# Altium PCB vestibular_vampire.PcbDoc (part 1 of 2) (continued)
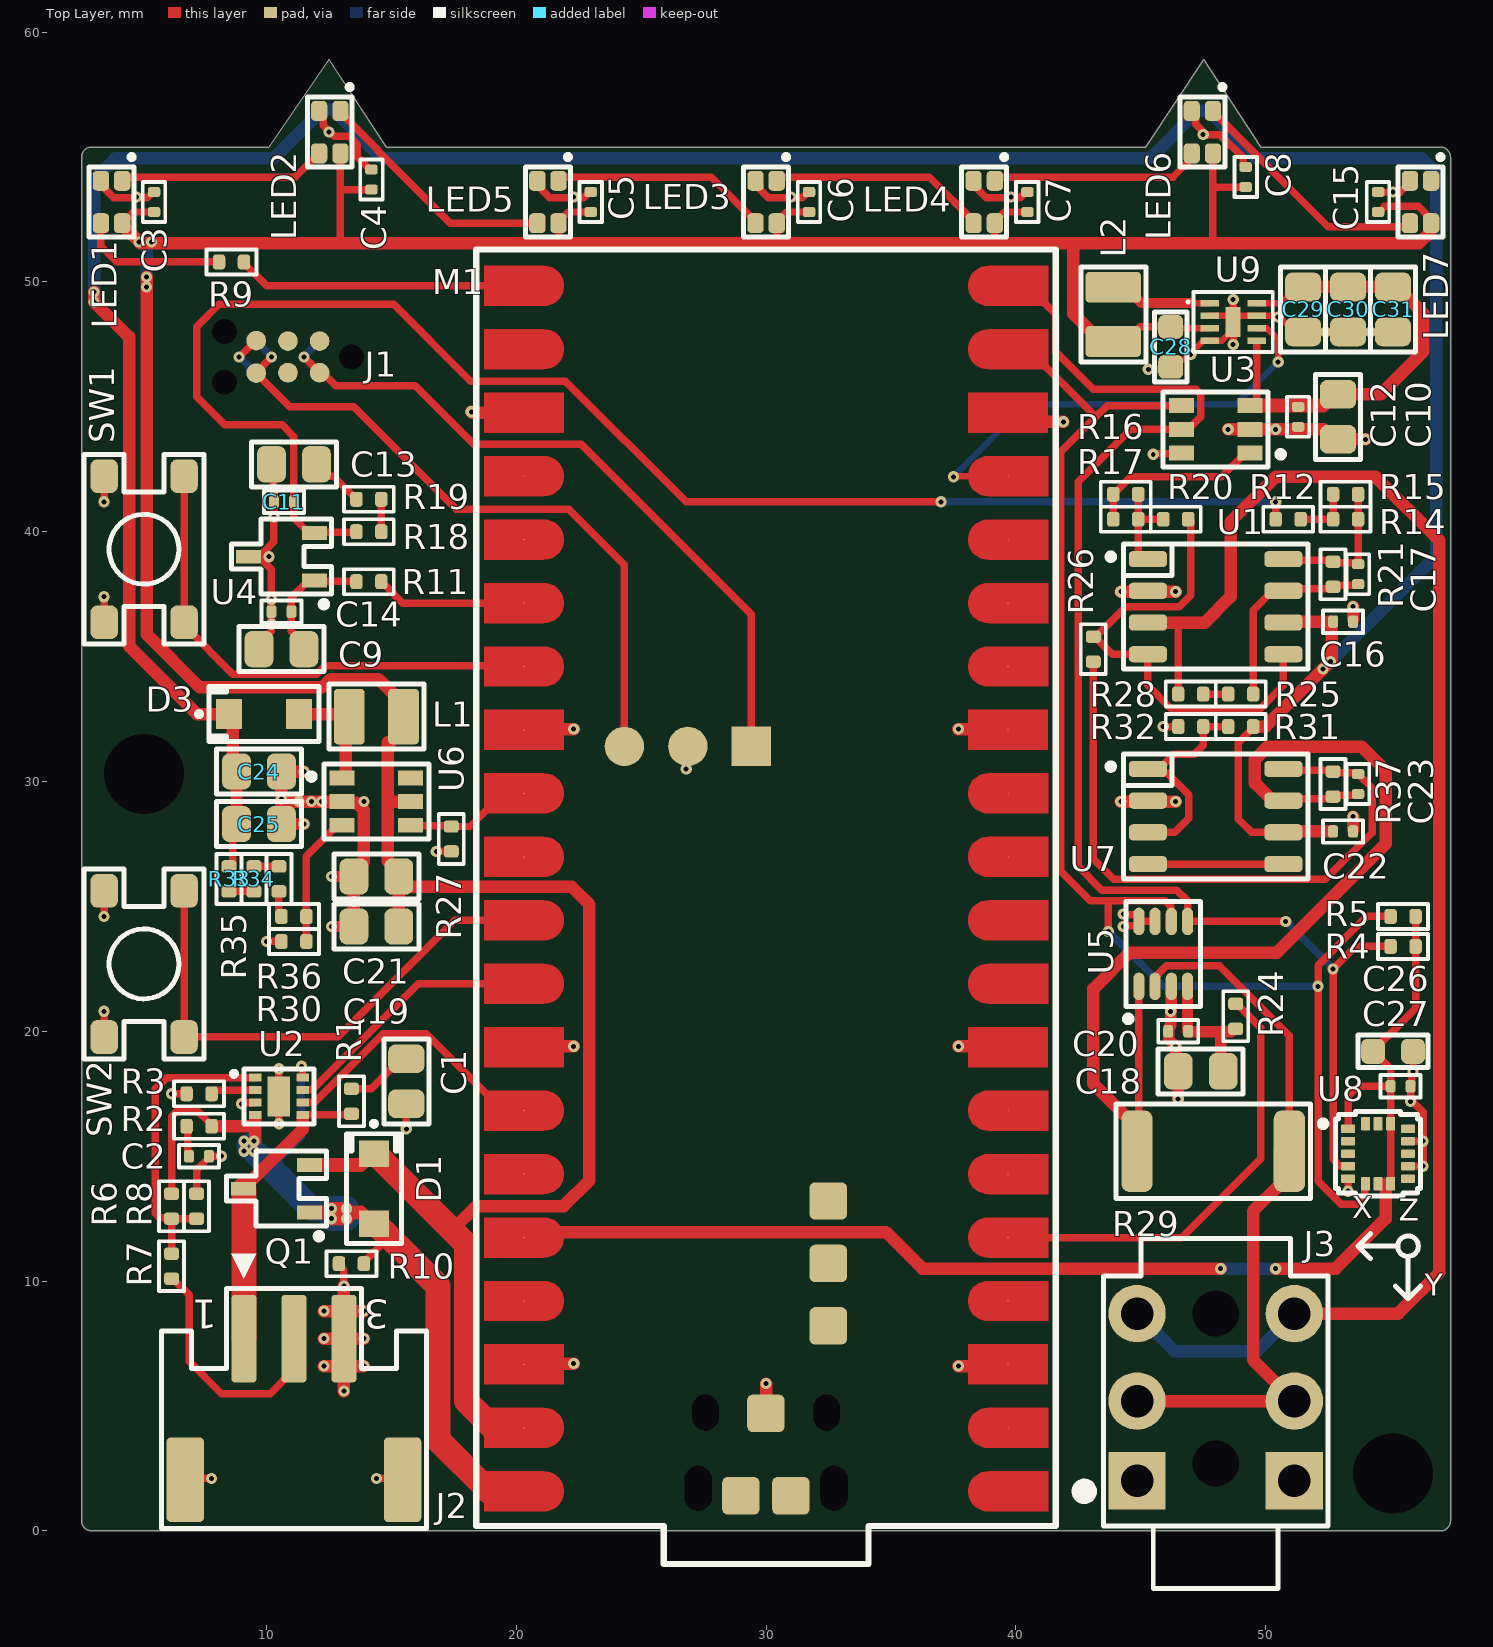
[diagram p0: Top Layer view]
## Footprints (in the part's own frame and the unit in brackets; to place one, negate y for a bottom-side part, rotate by r counter-clockwise, add the part's x,y. Pads: shape width x height; smd on the part's side, far side on the other; paste and mask are expansions set on the pad) (continued)
  Top Layer region: 11.29,12.515 11.29,10.915 8.89,10.915 8.89,10.915 8.543,10.994 8.265,11.216 8.11,11.537 8.11,11.893 8.265,12.214 8.543,12.436 8.89,12.515 8.89,12.515
  Top Layer region: 11.29,-23.045 11.29,-24.645 8.89,-24.645 8.89,-24.645 8.543,-24.566 8.265,-24.344 8.11,-24.023 8.11,-23.667 8.265,-23.346 8.543,-23.124 8.89,-23.045 8.89,-23.045
  Top Layer region: 11.29,17.595 11.29,15.995 8.89,15.995 8.89,15.995 8.543,16.074 8.265,16.296 8.11,16.617 8.11,16.973 8.265,17.294 8.543,17.516 8.89,17.595 8.89,17.595
  Top Layer region: 11.29,15.055 11.29,13.455 8.89,13.455 8.89,13.455 8.543,13.534 8.265,13.756 8.11,14.077 8.11,14.433 8.265,14.754 8.543,14.976 8.89,15.055 8.89,15.055
  Top Layer region: 11.29,22.675 11.29,21.075 8.89,21.075 8.89,21.075 8.543,21.154 8.265,21.376 8.11,21.697 8.11,22.053 8.265,22.374 8.543,22.596 8.89,22.675 8.89,22.675
  Top Layer region: 11.29,9.975 11.29,8.375 8.89,8.375 8.89,8.375 8.543,8.454 8.265,8.676 8.11,8.997 8.11,9.353 8.265,9.674 8.543,9.896 8.89,9.975 8.89,9.975
  Top Layer region: 11.29,-7.805 11.29,-9.405 8.89,-9.405 8.89,-9.405 8.543,-9.326 8.265,-9.104 8.11,-8.783 8.11,-8.427 8.265,-8.106 8.543,-7.884 8.89,-7.805 8.89,-7.805
  Top Layer region: 11.29,-10.345 11.29,-11.945 8.89,-11.945 8.89,-11.945 8.543,-11.866 8.265,-11.644 8.11,-11.323 8.11,-10.967 8.265,-10.646 8.543,-10.424 8.89,-10.345 8.89,-10.345
  Top Layer region: 11.29,-12.885 11.29,-14.485 8.89,-14.485 8.89,-14.485 8.543,-14.406 8.265,-14.184 8.11,-13.863 8.11,-13.507 8.265,-13.186 8.543,-12.964 8.89,-12.885 8.89,-12.885
  Top Layer region: 11.29,-15.425 11.29,-17.025 8.89,-17.025 8.89,-17.025 8.543,-16.946 8.265,-16.724 8.11,-16.403 8.11,-16.047 8.265,-15.726 8.543,-15.504 8.89,-15.425 8.89,-15.425
  Top Layer region: 11.29,-20.505 11.29,-22.105 8.89,-22.105 8.89,-22.105 8.543,-22.026 8.265,-21.804 8.11,-21.483 8.11,-21.127 8.265,-20.806 8.543,-20.584 8.89,-20.505 8.89,-20.505
  Top Layer region: 11.29,25.215 11.29,23.615 8.89,23.615 8.89,23.615 8.543,23.694 8.265,23.916 8.11,24.237 8.11,24.593 8.265,24.914 8.543,25.136 8.89,25.215 8.89,25.215
  Top Layer region: -11.286,18.535 -11.286,20.135 -8.094,20.135 -8.094,18.535
  Top Layer region: 11.286,20.135 11.286,18.535 8.094,18.535 8.094,20.135
  Top Layer region: 11.286,7.435 11.286,5.835 8.094,5.835 8.094,7.435
  Top Layer region: 11.286,-5.265 11.286,-6.865 8.094,-6.865 8.094,-5.265
  Top Layer region: -11.286,-6.865 -11.286,-5.265 -8.094,-5.265 -8.094,-6.865
  Top Layer region: -11.286,-19.565 -11.286,-17.965 -8.094,-17.965 -8.094,-19.565
  Top Layer region: 11.286,-17.965 11.286,-19.565 8.094,-19.565 8.094,-17.965
  silkscreen extent -12.99,-25.3 11.6,27.32, body extent -10.5,-25.25 10.5,27.1, height 3.62
pj-313_5jcj_3.5mm_trs_jack [mm]
  round 2.3 hole 1.3: R(0,3.15) R(0,-3.15) T(3.5,-3.15) T(3.5,3.15)
  rect 2.3x2.3 hole 1.3: S(-3.2,3.15) S(-3.2,-3.15)
  round 1 hole 1.85 unplated: ""(-2.5,0) ""(3.5,0)
  silkscreen extent -7.5,-4.5 6.5,4.5, body extent -7.5,-3.49 6.5,3.49, height 5.04
S3B-PH-SM4-TB [mm]
  rrect25% 1x3.5 smd: 1(2,-2.8) 2(0,-2.8) 3(-2,-2.8)
  rrect25% 1.5x3.4 smd: MP(-4.35,2.85) MP(4.35,2.85)
  silkscreen extent -5.3,-6.2 5.3,4.8, body extent -4.95,-4.15 4.95,4.45, height 5.61
SOD-123 [mm] "SODFL, 2-Leads, Body 1.78x3.70mm, IPC Medium Density"
  rect 1.05x1.2 smd: A(1.4,0) K(-1.4,0)
  silkscreen extent -2.7,-1.12 2.2,1.12, body extent -1.85,-0.96 1.85,0.96, height 1
SOIC127P600X175-8N [mm]
  rrect50% 1.525x0.65 smd: 1(-2.712,1.905) 2(-2.712,0.635) 3(-2.712,-0.635) 4(-2.712,-1.905) 5(2.712,-1.905) 6(2.712,-0.635) 7(2.712,0.635) 8(2.712,1.905)
  silkscreen extent -4.32,-2.5 3.7,2.5, body extent -3,-2.45 3,2.45, height 1.75
SON50P200X50_HS-9N [mm] "SON, 8-Leads, Body 2.00x2.00mm, Pitch 0.50mm, Thermal Pad 1.20x0.60mm, IPC Medium Density"
  rect 0.75x0.25 smd: 1(-0.94,0.75) 2(-0.94,0.25) 3(-0.94,-0.25) 4(-0.94,-0.75) 5(0.94,-0.75) 6(0.94,-0.25) 7(0.94,0.25) 8(0.94,0.75)
  rect 0.6x1.2 smd: EP(0,0)
  silkscreen extent -1.85,-1.2 1.59,1.2, body extent -1.03,-1.02 1.03,1.02, height 0.5
SON50P200X80_HS-9N [mm] "SON, 8-Leads, Body 2.00x2.00mm, Pitch 0.50mm, Thermal Pad 1.60x0.69mm, IPC Medium Density"
  rect 0.5x0.32 smd: 1(-0.945,0.75) 2(-0.945,0.25) 3(-0.945,-0.25) 4(-0.945,-0.75) 5(0.945,-0.75) 6(0.945,-0.25) 7(0.945,0.25) 8(0.945,0.75)
  rect 0.9x1.6 smd: EP(0,0)
  silkscreen extent -1.9,-1.1 1.4,1.1, body extent -1.05,-1.05 1.05,1.05, height 0.8
SOT95P280X110-6N [mm] "SOT23, 6-Leads, Body 2,90x2,80mm, Pitch 0,95mm, IPC Medium Density"
  rect 1x0.6 smd: 1(-1.375,0.95) 2(-1.375,0) 3(-1.375,-0.95) 4(1.375,-0.95) 5(1.375,0) 6(1.375,0.95)
  silkscreen extent -2.73,-1.5 2.1,1.5, body extent -0.88,-1.52 0.87,1.53, height 1.1
SOT95P280X115-3N [mm] "SOT23, 3-Leads, Body 2.92x2.80mm, Pitch 0.95mm, IPC Medium Density"
  rect 1x0.55 smd: 1(-1.325,0.95) 2(-1.325,-0.95) 3(1.325,0)
  silkscreen extent -2,-1.5 2,2.02, body extent -1.45,-1.49 1.45,1.49, height 1.15
SOT-23-8 [mm]
  oval 1.1x0.45 smd: 1(-1.3,0.975) 2(-1.3,0.325) 3(-1.3,-0.325) 4(-1.3,-0.975) 5(1.3,-0.975) 6(1.3,-0.325) 7(1.3,0.325) 8(1.3,0.975)
  silkscreen extent -2.72,-1.5 2.1,1.52, body extent -1.39,-1.5 1.39,1.5, height 1.45
TSC015A08026B [mm]
  rrect50% 1.35x1.1 smd: 1(-2.925,1.6) 2(2.925,1.6) 3(-2.925,-1.6) 4(2.925,-1.6)
  silkscreen extent -3.8,-2.4 3.8,2.4, body extent -3.4,-2.25 3.4,2.25, height 8.01
XL-1615RGBC-WS2812B [mm] "RGB LED"
  rrect50% 0.8x0.65 smd: 1(-0.85,0.425) 2(0.85,0.425) 3(-0.85,-0.425) 4(0.85,-0.425)
  silkscreen extent -1.9,-0.9 1.4,0.9, body extent -0.8,-0.75 0.8,0.75, height 0.71

## Part data
C1 C9 C10 C13 C18 C19 C21 C24 C25: "10 μF, 50 V, X5R, 0805 Chip capacitor", Case/Package=0805, Dielectric=X5R, Dielectric Material=Ceramic, Manufacturer=Murata, Manufacturer Lifecycle Status="IN PRODUCTION", Max Operating Temperature=85°C, Min Operating Temperature=-55°C, Supplier Part Number 1=C440198, Tolerance=10%, Voltage Rating=50V, Category="Ceramic Capacitors", ComponentLink1Description=https://datasheet.octopart.com:443/GRM21BR61H106KE43L-Murata-datasheet-155345082.pdf?src-supplier=Newark, ComponentLink1URL=https://datasheet.octopart.com:443/GRM21BR61H106KE43L-Murata-datasheet-155345082.pdf?src-supplier=Newark, ComponentLink2Description=https://datasheet.octopart.com:443/GRM21BR61H106KE43L-Murata-datasheet-141278272.pdf?src-supplier=Geoflip, ComponentLink2URL=https://datasheet.octopart.com:443/GRM21BR61H106KE43L-Murata-datasheet-141278272.pdf?src-supplier=Geoflip, ComponentLink3Description=https://datasheet.octopart.com:443/GRM21BR61H106KE43L-Murata-datasheet-165579666.pdf?src-supplier=TME, ComponentLink3URL=https://datasheet.octopart.com:443/GRM21BR61H106KE43L-Murata-datasheet-165579666.pdf?src-supplier=TME, ComponentLink4Description=https://datasheet.octopart.com:443/GRM21BR61H106KE43L-Murata-datasheet-140707579.pdf?src-supplier=Ciiva, ComponentLink4URL=https://datasheet.octopart.com:443/GRM21BR61H106KE43L-Murata-datasheet-140707579.pdf?src-supplier=Ciiva, ComponentLink5Description=https://datasheet.octopart.com:443/GRM21BR61H106KE43L-Murata-datasheet-138744880.pdf?src-supplier=Ciiva, ComponentLink5URL=https://datasheet.octopart.com:443/GRM21BR61H106KE43L-Murata-datasheet-138744880.pdf?src-supplier=Ciiva, ComponentLink6Description=https://datasheet.octopart.com/GRM21BR61H106KE43L-Murata-datasheet-12515295.pdf, ComponentLink6URL=https://datasheet.octopart.com/GRM21BR61H106KE43L-Murata-datasheet-12515295.pdf, ComponentLink7Description=https://datasheet.octopart.com/GRM21BR61H106KE43L-Murata-datasheet-12510076.pdf, ComponentLink7URL=https://datasheet.octopart.com/GRM21BR61H106KE43L-Murata-datasheet-12510076.pdf, ComponentLink8Description=https://datasheet.octopart.com/GRM21BR61H106KE43L-Murata-datasheet-11978611.pdf, ComponentLink8URL=https://datasheet.octopart.com/GRM21BR61H106KE43L-Murata-datasheet-11978611.pdf, ComponentLink9Description=https://datasheet.octopart.com/GRM21BR61H106KE43L-Murata-datasheet-10025737.pdf, ComponentLink9URL=https://datasheet.octopart.com/GRM21BR61H106KE43L-Murata-datasheet-10025737.pdf, ComponentLink10Description=https://datasheet.octopart.com/GRM21BR61H106KE43L-Murata-datasheet-8819587.pdf, ComponentLink10URL=https://datasheet.octopart.com/GRM21BR61H106KE43L-Murata-datasheet-8819587.pdf, ComponentLink11Description=http://sigma.octopart.com:80/reach_statement/Murata-company-16.pdf?src-supplier=Compliance+Statements, ComponentLink11URL=http://sigma.octopart.com:80/reach_statement/Murata-company-16.pdf?src-supplier=Compliance+Statements, Height=1.25mm, Length=2mm, Lifecycle Status=Production, Manufacturer Part Number=GRM21BR61H106KE43L, Material=Ceramic, Mounting Technology="Surface Mount", Number of Terminals=2, Pricing 1="10=0.4708, 10=0.0567, 10=0.514, 10=0.0644, 100=0.3794, 100=0.0457, 100=0.4142, 100=0.0519, 300=0.3327, 300=0.0401, 300=0.3631, 300=0.0455, 3000=0.2815, 3000=0.0339, 3000=0.3073, 3000=0.0385, 6000=0.2676, 6000=0.0323, 6000=0.2921, 6000=0.0366, 9000=0.2588, 9000=0.0312, 9000=0.2825, 9000=0.0354 (CNY)", REACH SVHC=Yes, RoHS=Compliant, Stock 1=4345800, Supplier 1=LCSC, Thickness=1.25mm, Voltage Rating (DC)=50V, Width=1.25mm
C2: "4.7 µF, 10 V, X5R, 0402 Chip capacitor", Case Code (Imperial)=0402, Case Code (Metric)=1005, Dielectric=X5R, Manufacturer=Samsung, Max Operating Temperature=85°C, Min Operating Temperature=-55°C, Package Quantity=1, Supplier Part Number 1=1276-1480-1-ND, Tolerance=10%, Voltage Rating=10V, Case/Package=0402, Category="Ceramic Capacitors", ComponentLink1Description=https://datasheet.ciiva.com/25724/cl05a475kp5nrnc-25724404.pdf?src-supplier=Digikey, ComponentLink1URL=https://datasheet.ciiva.com/25724/cl05a475kp5nrnc-25724404.pdf?src-supplier=Digikey, ComponentLink2Description=https://datasheet.ciiva.com/29198/458873-da-01-en-vs-kondensator-0402-29198304.pdf?src-supplier=Conrad, ComponentLink2URL=https://datasheet.ciiva.com/29198/458873-da-01-en-vs-kondensator-0402-29198304.pdf?src-supplier=Conrad, Construction=Flat, Depth=0.5mm, Height=0.5mm, house_part_number=C-4.7uF-0402-002, Lead Free="Lead Free", Length=1mm, Manufacturer Part Number=CL05A475KP5NRNC, Material=Ceramic, Mounting Technology="Surface Mount", Packaging="Tape and Reel", Pricing="1=0.28, 10=0.184, 50=0.129, 100=0.1042, 500=0.0774, 1000=0.06772, 2500=0.0645, 5000=0.05966 (USD)", Radiation Hardening=No, RoHS=Yes, RoHS Compliant=Yes, Series=CL, Stock=606274, Supplier 1=Digikey, Thickness=0.022inch, Width=0.02inch
C3 C4 C5 C6 C7 C8 C12 C14 C15 C16 C20 C22 C27: "100 nF, 25 V, X7R, 0402 Chip capacitor", Capacitance=100nF, Case Code (Imperial)=0402, Case Code (Metric)=1005, Dielectric=X7R, Dielectric Material=Ceramic, Manufacturer=Murata, Max Operating Temperature=125°C, Min Operating Temperature=-55°C, Package Quantity=10000, Supplier Part Number 1=490-10698-1-ND, Tolerance=10%, Voltage=25V, Case/Package=0402, Category="Ceramic Capacitors", ComponentLink1Description=http://www.farnell.com/datasheets/1872206.pdf?src-supplier=Farnell, ComponentLink1URL=http://www.farnell.com/datasheets/1872206.pdf?src-supplier=Farnell, ComponentLink2Description=http://components.arrow.com/part/dataview/0323_06361249?src-supplier=Arrow+Europe, ComponentLink2URL=http://components.arrow.com/part/dataview/0323_06361249?src-supplier=Arrow+Europe, ComponentLink3Description=http://uk.rs-online.com/webdocs/144c/0900766b8144c113.pdf?src-supplier=RSComponents, ComponentLink3URL=http://uk.rs-online.com/webdocs/144c/0900766b8144c113.pdf?src-supplier=RSComponents, ComponentLink4Description=http://www.farnell.com/datasheets/2048008.pdf?src-supplier=Farnell, ComponentLink4URL=http://www.farnell.com/datasheets/2048008.pdf?src-supplier=Farnell, ComponentLink5Description=http://www.mouser.com/ds/2/281/c02e-2905.pdf?src-supplier=Mouser, ComponentLink5URL=http://www.mouser.com/ds/2/281/c02e-2905.pdf?src-supplier=Mouser, ComponentLink6Description=http://www.farnell.com/datasheets/2048008.pdf?src-supplier=Newark, ComponentLink6URL=http://www.farnell.com/datasheets/2048008.pdf?src-supplier=Newark, ComponentLink7Description=https://search.murata.co.jp/Ceramy/image/img/A01X/G101/ENG/GRM155R71E104KE14-01.pdf?src-supplier=Digi-Key, ComponentLink7URL=https://search.murata.co.jp/Ceramy/image/img/A01X/G101/ENG/GRM155R71E104KE14-01.pdf?src-supplier=Digi-Key, ComponentLink8Description=http://www.farnell.com/datasheets/2048008.pdf?src-supplier=Element14, ComponentLink8URL=http://www.farnell.com/datasheets/2048008.pdf?src-supplier=Element14, ComponentLink9Description=http://psearch.en.murata.com/capacitor/product/GRM155R71E104KE14%23.pdf?src-supplier=Avnet, ComponentLink9URL=http://psearch.en.murata.com/capacitor/product/GRM155R71E104KE14%23.pdf?src-supplier=Avnet, Depth=0.5mm, Height=0.5mm, house_part_number=C-100nF-0402-002, Lead Free="Lead Free", Length=1mm, Manufacturer Part Number=GRM155R71E104KE14D, Mount="Surface Mount", Packaging="Tape and Reel", Pricing 1="1=0.10000, 10=0.02700, 50=0.01460, 100=0.01190, 500=0.00848, 1000=0.00666, 2500=0.00605, 5000=0.00557 (USD)", REACH SVHC=Unknown, Resistor Type=Ceramic, RoHS=Yes, RoHS Compliant=Yes, Supplier 1=Digi-Key, Termination=SMD/SMT, Thickness=0.022inch, Voltage Rating=25V, Voltage Rating (DC)=25V, Weight=0.000212oz, Width=0.02inch
C11: "10 nF, 25 V, X7R, 0402 Chip capacitor", Capacitance=10nF, Case Code (Imperial)=0402, Case Code (Metric)=1005, Dielectric=X7R, Manufacturer=Samsung, Max Operating Temperature=125°C, Min Operating Temperature=-55°C, Package Quantity=1, Supplier Part Number 1=1276-1057-2-ND, Tolerance=10%, Voltage Rating=25V, Case/Package=0402, Category="Ceramic Capacitors", ComponentLink1Description=https://datasheet.ciiva.com/15195/getdatasheetpartid-358612-15195635.pdf?src-supplier=Verical, ComponentLink1URL=https://datasheet.ciiva.com/15195/getdatasheetpartid-358612-15195635.pdf?src-supplier=Verical, ComponentLink2Description=https://datasheet.ciiva.com/16740/cl05b104kq5nnnc-16740683.pdf?src-supplier=Future+Electronics, ComponentLink2URL=https://datasheet.ciiva.com/16740/cl05b104kq5nnnc-16740683.pdf?src-supplier=Future+Electronics, Construction=Flat, Contact Plating=Tin, Depth=0.5mm, Height=0.5mm, house_part_number=C-10nF-0402-002, Length=1mm, Manufacturer Part Number=CL05B103KA5NNNC, Mount="Surface Mount", Packaging="Tape and Reel", Pricing 1="10000=0.00328, 20000=0.00312, 30000=0.00297, 50000=0.00266, 100000=0.00215, 250000=0.00195 (USD)", Radiation Hardening=No, RoHS=Yes, RoHS Compliant=Yes, Series=CL, Stock 1=2318300, Supplier 1=Digi-Key, Thickness=0.022inch, Width=0.02inch
C17 C23: "200 pF, 50V, C0G, 0402 Chip capacitor", Case/Package=0402, Dielectric Material=Ceramic, Manufacturer=Murata, Manufacturer Lifecycle Status="IN PRODUCTION", Max Operating Temperature=125°C, Min Operating Temperature=-55°C, Supplier Part Number 1=C3896876, Temperature Coefficient=30ppm/°C, Tolerance=1%, Voltage Rating=50V, Category="Ceramic Capacitors", ComponentLink1Description=http://sigma.octopart.com:80/reach_statement/Murata-company-16.pdf?src-supplier=Compliance+Statements, ComponentLink1URL=http://sigma.octopart.com:80/reach_statement/Murata-company-16.pdf?src-supplier=Compliance+Statements, Height=500µm, Length=1mm, Lifecycle Status=Production, Manufacturer Part Number=GRT1555C1H201FA02D, Material=Ceramic, Mounting Technology="Surface Mount", Number of Terminals=2, Pricing 1="50=0.0995, 50=0.012, 50=0.1086, 50=0.0136, 500=0.0783, 500=0.0095, 500=0.0854, 500=0.0107, 1500=0.0666, 1500=0.0081, 1500=0.0727, 1500=0.0091, 10000=0.0593, 10000=0.0072, 10000=0.0647, 10000=0.0081, 20000=0.0534, 20000=0.0065, 20000=0.0583, 20000=0.0073, 50000=0.0505, 50000=0.0061, 50000=0.0551, 50000=0.0069 (CNY)", REACH SVHC=Yes, RoHS=Compliant, Stock 1=4350, Supplier 1=LCSC, Thickness=500µm, Voltage Rating (DC)=50V, Width=500µm
C26: "10 µF, 25 V, X5R, 0603 Chip capacitor", Case Code (Imperial)=0603, Case Code (Metric)=1608, Manufacturer=Samsung, Max Operating Temperature=85°C, Min Operating Temperature=-55°C, Tolerance=20%, Voltage Rating=25V, Case/Package=0603, Category="Ceramic Capacitors", ComponentLink1Description=https://datasheet.ciiva.com/25766/cl10a106ma8nrnc-25766562.pdf?src-supplier=Digikey, ComponentLink1URL=https://datasheet.ciiva.com/25766/cl10a106ma8nrnc-25766562.pdf?src-supplier=Digikey, Height=900um, house_part_number=C-10uF-0603-002, Lead Free="Lead Free", Manufacturer Part Number=CL10A106MA8NRNC, Material=4241ConductorMaterial, Mounting Technology="Surface Mount", Packaging="Cut Tape", Pricing="4000=0.0511, 8000=0.046, 12000=0.0434, 28000=0.0413, 100000=0.0356 (USD)", RoHS=Yes, RoHS Compliant=Yes, Series=CL, Stock=632000, Supplier 1="Arrow Electronics", Supplier Part Number 1=CL10A106MA8NRNC
C28: "4.7 μF, 25 V, X7R, 0603 Chip capacitor", Case Code (Imperial)=0603, Case Code (Metric)=1608, Dielectric=X5R, Dielectric Material=Ceramic, Manufacturer=TDK, Max Operating Temperature=85°C, Min Operating Temperature=-55°C, Package Quantity=4000, Supplier Part Number=445-9050-1-ND, Tolerance=10%, Voltage Rating=25V, Case/Package=0603, Category="Ceramic Capacitors", ComponentLink1Description=https://datasheet.ciiva.com/48671/mlcc-commercial-general-en-48671304.pdf?src-supplier=Avnet, ComponentLink1URL=https://datasheet.ciiva.com/48671/mlcc-commercial-general-en-48671304.pdf?src-supplier=Avnet, ComponentLink2Description=https://datasheet.ciiva.com/24216/mlcc-commercial-general-en-24216326.pdf?src-supplier=Mouser, ComponentLink2URL=https://datasheet.ciiva.com/24216/mlcc-commercial-general-en-24216326.pdf?src-supplier=Mouser, ComponentLink3Description=https://datasheet.ciiva.com/48587/6print-detail-pdf-phplangenpart-noc1608x5r1e475k080acimp-unit-xmhz-48587141.pdf?src-supplier=Onlinecomponents.com, ComponentLink3URL=https://datasheet.ciiva.com/48587/6print-detail-pdf-phplangenpart-noc1608x5r1e475k080acimp-unit-xmhz-48587141.pdf?src-supplier=Onlinecomponents.com, Construction=Flat, Depth=0.8mm, Height=0.8mm, Lead Free="Lead Free", Length=1.6mm, Manufacturer Part Number=C1608X5R1E475K080AC, Material=Ceramic, Mounting Technology="Surface Mount", Packaging="Tape and Reel", Pricing="1=0.16, 10=0.104, 50=0.0732, 100=0.0592, 500=0.04396, 1000=0.03847, 4000=0.03389, 8000=0.03225 (USD)", Reach SVHC Compliant=Unknown, RoHS=Yes, RoHS Compliant=Yes, Series=C, Stock=1983872, Supplier=Digikey, Termination=SMD/SMT, Thickness=0.039inch, Voltage Rating (DC)=25V, Weight=7.1E-05oz, Width=0.031inch
C29 C30 C31: "22 μF, 25 V, X5R, 0805 Chip capacitor", Capacitor Type=Ceramic, Case/Package=0805, Manufacturer=Murata, Max Operating Temperature=85°C, Min Operating Temperature=-55°C, Package Shape=Rectangular, Rated DC Voltage (URdc)=25V, Supplier Part Number 1=490-12389-1-ND, Temperature Characteristics Code=X5R, Tolerance  (fill in as +-)=20%, Category="Ceramic Capacitors", ComponentLink1Description=https://datasheet.ciiva.com:443/pdfs/VipMasterIC/IC/MURE/MURE-S-A0004410517/MURE-S-A0004413512-1.pdf?src-supplier=IHS+Markit, ComponentLink1URL=https://datasheet.ciiva.com:443/pdfs/VipMasterIC/IC/MURE/MURE-S-A0004410517/MURE-S-A0004413512-1.pdf?src-supplier=IHS+Markit, ComponentLink2Description=http://search.murata.co.jp/Ceramy/image/img/A01X/G101/ENG/GRT21BR61E226ME13-01.pdf?src-supplier=Digi-Key, ComponentLink2URL=http://search.murata.co.jp/Ceramy/image/img/A01X/G101/ENG/GRT21BR61E226ME13-01.pdf?src-supplier=Digi-Key, Dielectric Material=Ceramic, JESD-609 Code=e3, Manufacturer Part Number=GRT21BR61E226ME13L, Mounting Technology="Surface Mount", Multilayer=Yes, Packaging="Tape and Reel", Pins=2, Pricing 1="1=0.48, 10=0.338, 50=0.2558, 100=0.2228, 500=0.16508, 1000=0.14031 (USD)", Reach SVHC Compliant=Yes, Reference Standard=AEC-Q200, RoHS=Yes, RoHS Compliant=Yes, Stock 1=1983731, Supplier 1=Digi-Key, Terminal Finish=Nickel, Termination=Wraparound, Tolerance (fill in as +-)=20%
D1 D3: "40 V, 3 A Schottky Rectifier, SOD-123FA", Average Rectified Current=3A, Case/Package=SOD-123W, Manufacturer="ON Semiconductor / Fairchild", Max Forward Surge Current (Ifsm)=80A, Max Repetitive Reverse Voltage (Vrrm)=40V, Supplier Part Number=01AC9736, Supplier Part Number 1=C719833, Category="Schottky Diodes", ComponentLink1Description=http://www.farnell.com/datasheets/2552647.pdf?src-supplier=Farnell, ComponentLink1URL=http://www.farnell.com/datasheets/2552647.pdf?src-supplier=Farnell, ComponentLink2Description=http://www.mouser.com/ds/2/149/SS34FA-1012641.pdf?src-supplier=Mouser, ComponentLink2URL=http://www.mouser.com/ds/2/149/SS34FA-1012641.pdf?src-supplier=Mouser, ComponentLink3Description=http://www.farnell.com/datasheets/2552647.pdf?src-supplier=Element14, ComponentLink3URL=http://www.farnell.com/datasheets/2552647.pdf?src-supplier=Element14, ComponentLink4Description=http://www.farnell.com/datasheets/2552647.pdf?src-supplier=Newark, ComponentLink4URL=http://www.farnell.com/datasheets/2552647.pdf?src-supplier=Newark, ComponentLink5Description=https://www.fairchildsemi.com/datasheets/SS/SS34FA.pdf?src-supplier=Digikey, ComponentLink5URL=https://www.fairchildsemi.com/datasheets/SS/SS34FA.pdf?src-supplier=Digikey, ComponentLink6Description=https://www.onsemi.com/pub/Collateral/SS36FA-D.PDF?src-supplier=Digikey, ComponentLink6URL=https://www.onsemi.com/pub/Collateral/SS36FA-D.PDF?src-supplier=Digikey, ComponentLink7Description=https://datasheet.octopart.com/SS34FA-ON-Semiconductor-datasheet-137713515.pdf?src-supplier=TME, ComponentLink7URL=https://datasheet.octopart.com/SS34FA-ON-Semiconductor-datasheet-137713515.pdf?src-supplier=TME, Element Configuration=Single, house_part_number=D-SCHOTTKY-3A-SOD123F-002, Manufacturer Part Number=SS34FA, Max Reverse Voltage (DC)=40V, Mounting Technology="Surface Mount", Packaging="Cut Tape", Pricing="1=0.469, 25=0.4, 50=0.341, 100=0.281, 250=0.251 (USD)", RoHS=Yes, RoHS Compliant=Yes, Series="Automotive, AEC-Q101", Stock=2402, Supplier=Avnet, Supplier 1=LCSC, Weight=0.019g
J1: library part TAG_CONN_CTX, "Mates with TC-2030-CTX-NL", house_part_number=type-value-case-grade
J2: library part S3B-PH-SM4-TB(LF)(SN), "3-Pin JST-PH connector, 2mm pitch, right-angle SMD", Color=Natural,White, Contact Resistance=10mR, Current Rating=2A, Flammability Rating="UL94 V-0", Housing Color=Beige, Insulation Color=Natural, Insulation Resistance=1GR, Manufacturer=JST, Max Operating Temperature=85°C, Max Voltage Rating (AC)=100V, Min Operating Temperature=-25°C, Supplier Part Number 1=C265101, Category="Headers and Wire Housings", ComponentLink1Description=https://datasheet.ciiva.com/11748/0900766b80df0d9d-11748720.pdf?src-supplier=Rs, ComponentLink1URL=https://datasheet.ciiva.com/11748/0900766b80df0d9d-11748720.pdf?src-supplier=Rs, ComponentLink2Description=https://datasheet.ciiva.com/712/eph-712555.pdf?src-supplier=Digikey, ComponentLink2URL=https://datasheet.ciiva.com/712/eph-712555.pdf?src-supplier=Digikey, ComponentLink3Description=https://datasheet.ciiva.com/712/eph-712554.pdf?src-supplier=Digikey, ComponentLink3URL=https://datasheet.ciiva.com/712/eph-712554.pdf?src-supplier=Digikey, ComponentLink4Description=https://datasheet.ciiva.com/712/eph-712556.pdf?src-supplier=Digikey, ComponentLink4URL=https://datasheet.ciiva.com/712/eph-712556.pdf?src-supplier=Digikey, ComponentLink5Description=https://datasheet.ciiva.com/8052/80594-8052219.pdf?src-supplier=Element14, ComponentLink5URL=https://datasheet.ciiva.com/8052/80594-8052219.pdf?src-supplier=Element14, ComponentLink6Description=https://datasheet.ciiva.com/22693/80594-22693485.pdf?src-supplier=Element14, ComponentLink6URL=https://datasheet.ciiva.com/22693/80594-22693485.pdf?src-supplier=Element14, Connector Type=Header, Contact Finish - Mating=TIN, Contact Material="Copper Alloy,Tin,Bronze,Brass", Contact Mating Length=0.13inch, Contact Plating=Tin,Copper, Contact Shape=Square, Contact Type="Male Pin", Depth=7.6mm, Fastening Type=Detent, Gender=Male, Height=9.4mm, house_part_number=S3B-PH-SM4-TB(LF)(SN), Housing Material=Polyamide, Insulation Material=Nylon, Lead Free=5697LeadFree, Lead Pitch=2mm, Length=9.9mm, Manufacturer Part Number=S3B-PH-SM4-TB(LF)(SN), Material=Polyamide, Max Current Rating=2A, Max Voltage Rating (DC)=100V, Mounting Technology="Surface Mount", Number of Contacts=3, Number of Poles=3, Number of Positions=3, Number of Rows=1, Orientation="Right Angle", Packaging="Tape and Reel", Pitch=2mm, Pricing 1="5=0.223, 50=0.1765, 150=0.1538, 1000=0.1202, 2000=0.1152, 5000=0.1122 (USD)", Reach SVHC Compliant=No, RoHS=Yes, Series=PH, Stock 1=30540, Supplier 1=LCSC, Termination=Solder, Voltage Rating=100V, Voltage Rating (AC)=100V, Voltage Rating (DC)=100V, Weight=28.349523g, Width=5mm, Working Voltage=100V
J3: library part "PJ-313 5JCJ", "3.5mm TRS Jack", Manufacturer="SHOU HAN", Supplier Part Number 1=C668607, Category=Uncategorized, Manufacturer Part Number="PJ-313 5JCJ", Pricing 1="5=0.5702, 5=0.068, 5=0.6225, 5=0.078, 50=0.4626, 50=0.0551, 50=0.505, 50=0.0633, 150=0.4022, 150=0.0479, 150=0.439, 150=0.0551, 1000=0.3661, 1000=0.0437, 1000=0.3996, 1000=0.0501, 5000=0.3181, 5000=0.038, 5000=0.3473, 5000=0.0436, 10000=0.3133, 10000=0.0374, 10000=0.342, 10000=0.0429 (CNY)", Stock 1=20215, Supplier 1=LCSC
L1: "22 μH, .55A, 1008 Inductor", Case/Package=1008, Manufacturer=Sunlord, Supplier Part Number=3442-SPH252012H220MTCT-ND, Category="Fixed Inductors", Manufacturer Part Number=SPH252012H220MT, Pricing="1=0.35, 10=0.303, 25=0.2776, 50=0.2524, 100=0.2247, 250=0.21208, 500=0.1818, 1000=0.1616 (USD)", RoHS=No, RoHS Compliant=No, Stock=945, Supplier=Digikey
L2: "1 μH, 4.2 A, 1008 Inductor", Manufacturer=Sumida, Package=1008, Supplier Part Number 1=308-2603-1-ND, Category="Fixed Inductors", house_part_number=L-1uH-1008-002, Manufacturer Part Number=252012CDMCDDS-1R0MC, Pricing="1=0.55, 10=0.473, 25=0.434, 50=0.3944, 100=0.3511, 250=0.33132, 500=0.284, 1000=0.25245 (USD)", RoHS=No, Stock=45912, Supplier=Digikey
LED1 LED2 LED3 LED4 LED5 LED6 LED7: library part XL-1615RGBC-WS2812B, "1-wire addressable RGB LED, 1615", Manufacturer=XINGLIGHT, Package=1615, Supplier Part Number 1=C5349954, Manufacturer Part Number=XL-1615RGBC-WS2812B, Pricing 1="10=0.0454, 100=0.0362, 300=0.0315, 1000=0.0276, 4000=0.0263, 8000=0.0253 (USD)", RoHS=No, Stock 1=257799, Supplier 1=LCSC
M1: library part pi_pico_w, Manufacturer="Raspberry Pi", Manufacturer Part Number=SC0918, Supplier Part Number 1=2648-SC0918CT-ND, Stock 1=0, Supplier 1=Digi-Key
Q1: library part AO3415A, "P-FET, 30V, 6A, SOT-23-3", Case/Package=SOT-23-3, Continuous Drain Current (ID)=5A, Drain to Source Voltage (Vdss)=20V, Input Capacitance=940pF, Manufacturer="Alpha & Omega Semiconductor", Max Operating Temperature=150°C, Max Power Dissipation=1.5W, Min Operating Temperature=-55°C, Supplier Part Number 1=C133233, Threshold Voltage=8mV, Category=MOSFETs, ComponentLink1Description=https://datasheet.ciiva.com/940/ao3415-940752.pdf?src-supplier=Digikey, ComponentLink1URL=https://datasheet.ciiva.com/940/ao3415-940752.pdf?src-supplier=Digikey, ComponentLink2Description=https://datasheet.ciiva.com/940/ao3415-940753.pdf?src-supplier=Digikey, ComponentLink2URL=https://datasheet.ciiva.com/940/ao3415-940753.pdf?src-supplier=Digikey, house_part_number=AO3415A, Manufacturer Part Number=AO3415A, Mounting Technology="Surface Mount", Packaging="Cut Tape", Pins=3, Pricing="3000=0.3033, 6000=0.3003, 9000=0.2972, 15000=0.2942, 24000=0.2912, 30000=0.2881 (USD)", Rds On Max=45mΩ, RoHS=Yes, RoHS Compliant=Yes, Series=-, Stock=21000, Supplier="Arrow Electronics", Supplier 1=LCSC, Supplier Part Number=AO3415A, Turn-Off Delay Time=19ps, Turn-On Delay Time=13ps
R1 R2 R9 R11 R12 R24: "1 Ω, 0402 Chip resistor", Case/Package=0402, Manufacturer=Uniroyal, Supplier Part Number 1=C25086, house_part_number=R-1-0402-1%-001, Manufacturer Part Number=0402WGF100KTCE, Pricing="100=0.0008, 1000=0.0006, 3000=0.0005, 50000=0.0004 (USD)", RoHS=No, Stock=596300, Supplier=LCSC
R3 R8 R18 R19 R30: library part RC0402JR-071KL, "1 kΩ, 0402 Chip resistor", Case Code (Imperial)=0402, Case Code (Metric)=1005, Manufacturer=Yageo, Max Operating Temperature=155°C, Max Power Dissipation=63mW, Min Operating Temperature=-55°C, Package Quantity=1, Power Rating=62.5mW, Resistance Tolerance=5%, Resistor Type="Thick Film", Supplier Part Number 1=311-1.0KJRCT-ND, Temperature Coefficient=100ppm/°C, Voltage Rating=50V, Case/Package=0402, Category="Chip SMD Resistors", ComponentLink1Description=https://datasheet.ciiva.com/7983/1018594-7983558.pdf?src-supplier=Element14, ComponentLink1URL=https://datasheet.ciiva.com/7983/1018594-7983558.pdf?src-supplier=Element14, ComponentLink2Description=https://datasheet.ciiva.com/2452/pyu-r-int-thick-7-2452756.pdf?src-supplier=Digikey, ComponentLink2URL=https://datasheet.ciiva.com/2452/pyu-r-int-thick-7-2452756.pdf?src-supplier=Digikey, ComponentLink3Description=https://datasheet.ciiva.com/2452/pyu-r-int-thick-7-2452757.pdf?src-supplier=Digikey, ComponentLink3URL=https://datasheet.ciiva.com/2452/pyu-r-int-thick-7-2452757.pdf?src-supplier=Digikey, ComponentLink4Description=https://datasheet.ciiva.com/2452/pyu-r-int-thick-7-2452755.pdf?src-supplier=Digikey, ComponentLink4URL=https://datasheet.ciiva.com/2452/pyu-r-int-thick-7-2452755.pdf?src-supplier=Digikey, ComponentLink5Description=https://datasheet.ciiva.com/7850/1018594-7850170.pdf?src-supplier=Element14, ComponentLink5URL=https://datasheet.ciiva.com/7850/1018594-7850170.pdf?src-supplier=Element14, ComponentLink6Description=https://datasheet.ciiva.com/7850/1018594-7850171.pdf?src-supplier=Element14, ComponentLink6URL=https://datasheet.ciiva.com/7850/1018594-7850171.pdf?src-supplier=Element14, ComponentLink7Description=https://datasheet.ciiva.com/17081/pyu-rc0402-51-rohs-l-6-r-17081438.pdf?src-supplier=Future+Electronics, ComponentLink7URL=https://datasheet.ciiva.com/17081/pyu-rc0402-51-rohs-l-6-r-17081438.pdf?src-supplier=Future+Electronics, Features="Moisture Resistant", Height=0.016inch, house_part_number=R-1k-0402-1%-001, Lead Free=5697LeadFree, Length=0.039inch, Manufacturer Part Number=RC0402JR-071KL, Number of Terminations=2, Packaging="Cut Tape", Pricing="1=0.1, 10=0.018, 50=0.0102, 100=0.0083, 500=0.00528, 1000=0.00444, 5000=0.00307 (USD)", Reach SVHC Compliant=No, RoHS=Yes, RoHS Compliant=Yes, Series=RC, Stock=15490862, Supplier 1=Digikey, Termination=SMD/SMT, Tolerance=5%, Voltage Rating (AC)=50V, Width=0.02inch